# Altium PCB Radxa_E25_V1.4_20220119.PcbDoc (part 2 of 5) (continued)
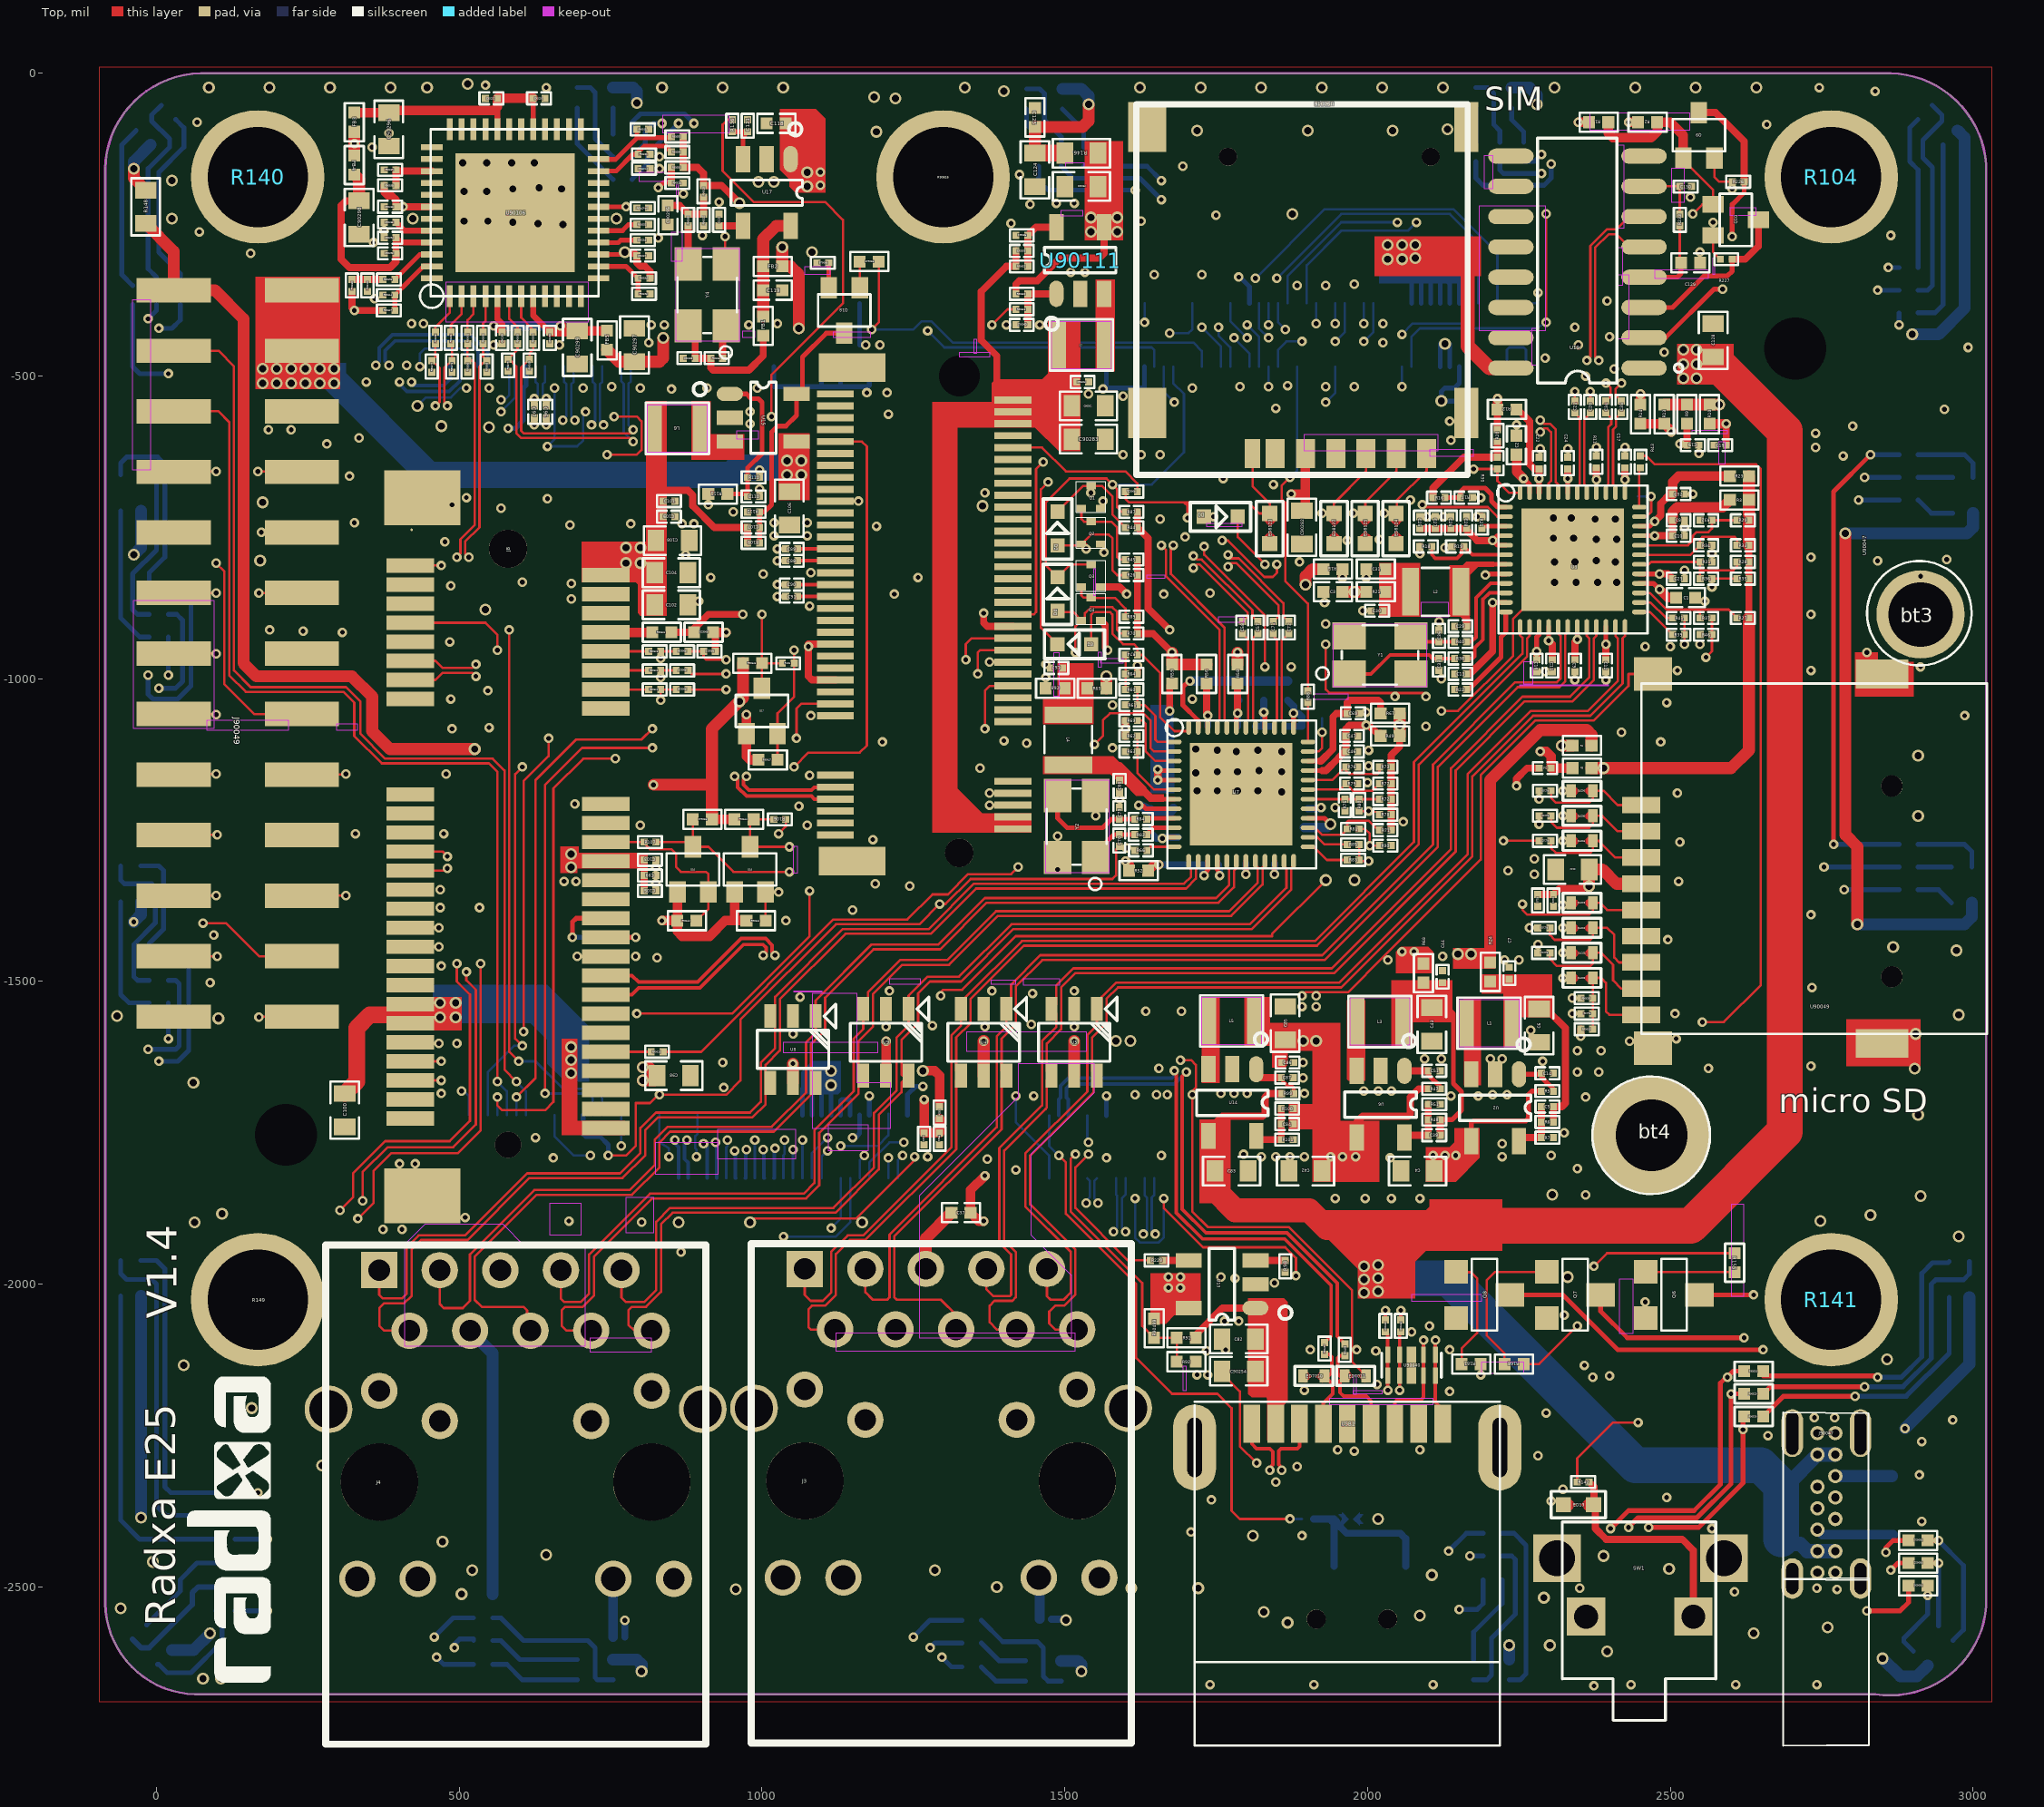
[diagram p0: Top view]
## Nets (pads, with @x,y where several pads share a name; then routed paths per layer and width w, separated by ;. In a path a pad name is that pad's centre, name@x,y a point inside that pad or via, vN(x,y) a via of type N, cw(c..) or ccw(c..) an arc to the next point about the centre after c; other vN are vias at no path point) (continued)
EVDD09_10_PCIE3: C54.1 C55.1 R54.2 U7.37 | length 106.9
  Top w7.87: U7.37@1877.95,-1080.71 v1(1877.95,-1057.09)
  Bottom w11.81: C54.1@1866.14,-1078.74 C55.1@1891.73,-1078.74 1891.73,-1062.99 1885.83,-1057.09 v1(1877.95,-1057.09) 1877.95,-1045.28 R54.2@1868.11,-1035.43
EVDD33/DVDD10: C61.1 R57.2 R58.2 U7.43 | length 118.3
  Top w7.87: U7.43@1783.46,-1080.71 1783.46,-1066.83 v1(1785.43,-1057.09)
  Top w11.81: v1(1785.43,-1057.09) R58.2@1785.43,-1007.87
  Bottom w11.81: C61.1@1785.43,-1078.74 v1(1785.43,-1057.09) 1785.43,-1035.43 R57.2@1787.4,-1035.43
EVDD33/DVDD10_16741608: C24.1 R13.2 R14.2 U3.43 | length 324.7
  Top w7.87: U3.43@2330.71,-692.91 v1(2330.71,-669.29)
  Top w11.81: v1(2330.71,-669.29) C24.1@2330.71,-653.54
  Top w15.75: R14.2@2450.79,-578.74 R13.2@2490.16,-578.74 2501.97,-590.55 v1(2501.97,-592.52)
  GND2 w15.75: v1(2330.71,-669.29) 2352.36,-647.64 2352.36,-606.3 2366.14,-592.52 v1(2501.97,-592.52)
GEN_CLK_100MHZ: 
GEN_CLK_100MHZ_N: 
GEN_CLK_100MHZ_OSC: R90592.2 U90106.17 | length 67.1
  Top w7.87: U90106.17@730.31,-259.84 769.68,-259.84 779.53,-250 R90592.2@793.31,-250
GEN_CLK_100MHZ_P: 
GND: C1.2 C2.2 C3.2 C4.2 C6.2 C7.2 C8.2 C9.2 C10.2 C11.2 C12.2 C13.2 C14.2 C15.2 C16.2 C17.2 C18.2 C19.2 C22.2 C23.2 C24.2 C25.2 C26.2 C27.2 C28.2 C29.2 C30.2 C31.2 C32.2 C33.1 C36.1 C37.1 C38.2 C40.2 C41.2 C42.2 C43.2 C44.2 C45.2 C46.2 C47.2 C48.2 C49.2 C50.2 C51.2 C52.2 C53.2 C54.2 C55.2 C56.2 C59.2 C60.2 C61.2 C62.2 C63.2 C64.2 C65.2 C66.2 C67.2 C68.2 C69.2 C70.1 C73.1 C74.1 C82.2 C83.2 C85.2 C86.2 C87.2 C98.2 C99.2 C100.2 C101.2 C102.2 C103.2 C104.2 C105.2 C106.2 C108.2 C109.2 C110.2 C118.2 C119.2 C120.2 C121.2 C122.2 C123.2 C124.2 C125.2 C128.2 C129.2 C130.2 C131.2 C90254.2 C90282.1 C90283.2 C90284.1 C90285.2 C90286.2 C90287.2 C90288.2 C90289.2 C90290.2 C90291.2 C90292.2 C90293.2 C90294.2 C90296.2 C90297.2 C90298.2 C90299.2 C90300.2 C90302.2 C90303.2 C90304.2 D4200.2 D4201.2 D4202.2 D4203.2 D4204.2 D4205.2 D4206.2 ED5.2 ED13.2 ED7010.2 ED7011.2 ED8122.2 ED8123.2 ED8124.2 ED8125.2 J1.1 J1.2 J1.7 J1.13 J1.19 J1.22 J1.25 J1.31 J1.32 J1.37 J1.42 J1.43 J1.48 J1.49 J1.55 J1.56 J1.61 J1.62 J1.67 J1.68 J1.72 J1.73 J1.76 J1.90 J1.99 J1.100 J1.A J1.B J1.C J1.D J2.1 J2.2 J2.7 J2.13 J2.19 J2.22 J2.25 J2.31 J2.32 J2.37 J2.42 J2.43 J2.48 J2.56 J2.57 J2.62 J2.68 J2.71 J2.72 J2.76 J2.77 J2.81 J2.85 J2.90 J2.91 J2.97 J2.99 J2.100 J2.A J2.B J2.C J2.D J3.19 J3.20 J4.19 J4.20 J5.3 J5.6 J5.7 J5.8 J5.9 J8.4 J8.9 J8.15 J8.18 J8.21 J8.26 J8.27 J8.29 J8.34 J8.35 J8.37 J8.40 J8.43 J8.50 J8.55 J8.56 J8.57 J8.58 J90047.A1 J90047.A12 J90047.B1 J90047.B12 J90047.E1 J90047.E2 J90047.E3 J90047.E4 J90049.6 J90049.9 J90049.14 J90049.20 J90049.25 Q1.2 Q2.2 Q3.2 Q4.2 Q6.2 Q7.2 Q8.2 R7.2 R11.1 R17.2 R19.2 R22.1 R31.1 R32.1 R34.1 R46.1 R51.2 R55.1 R61.2 R63.2 R66.1 R75.1 R76.1 R79.1 R90.1 R92.2 R98.2 R101.2 R104.1 R112.2 R140.1 R141.1 R145.2 R149.1 R224.1 R225.1 R931.2 R90554.2 R90561.2 R90568.2 R90569.2 R90573.2 R90577.2 R90579.2 R90580.2 R90589.2 R90591.2 R90593.2 R90610.2 R90611.2 R90614.2 R90616.1 R90648.2 R90651.2 SW1.2 SW1.3 SW1.4 U1.1 U1.2 U1.7 U1.8 U1.13 U1.14 U1.22 U1.23 U1.32 U1.33 U1.42 U1.43 U1.52 U1.53 U1.59 U1.60 U1.65 U1.66 U1.71 U1.74 U1.98 U1.107 U1.108 U1.113 U1.114 U1.119 U1.120 U1.125 U1.126 U1.131 U1.132 U1.137 U1.138 U1.144 U1.150 U1.155 U1.156 U1.161 U1.162 U1.167 U1.168 U1.173 U1.174 U1.179 U1.180 U1.185 U1.186 U1.191 U1.192 U1.197 U1.198 U1.201 U1.202 U1.203 U1.204 U1.A U1.B U1.C U1.D U1.E U1.F U1.G U1.H U2.2 U3.49 U4.2 U5.2 U6.2 U7.49 U8.2 U9.2 U13.2 U14.2 U15.2 U17.2 U19.1 U90040.3 U90040.8 U90047.3 U90047.5 U90047.11 U90047.21 U90047.27 U90047.33 U90047.39 U90047.45 U90047.51 U90047.57 U90047.69 U90047.71 U90047.73 U90047.75 U90047.76 U90047.77 U90047.78 U90048.5 U90048.8 U90048.9 U90048.10 U90048.11 U90049.6 U90049.10 U90049.11 U90049.12 U90049.13 U90106.13 U90106.18 U90106.24 U90106.37 U90106.43 U90106.48 U90106.49 U90111.2 USB1.4 USB1.7 USB1.10 USB1.11 Y1.2 Y1.4 Y2.2 Y2.4 Y4.2 | length 44707
  Top w3.94: v1@545.28,-523.62 v1(549.21,-519.68) ; v1(744.09,-629.92) 793.31,-629.92 801.18,-622.05 801.18,-574.8 793.31,-566.93 v1(755.91,-566.93) ; v1(746.06,-1787.4) 775.59,-1787.4 791.34,-1771.65 791.34,-1700.79 814.96,-1700.79 826.77,-1688.98 830.71,-1688.98 v1(830.71,-1687.01) 940.94,-1687.01 964.57,-1663.39 964.57,-1562.99 1122.05,-1405.51 1259.84,-1405.51 v1(1293.31,-1372.05) 1303.15,-1372.05 1344.49,-1330.71 1578.74,-1330.71 1584.65,-1324.8 1584.65,-1281.5 1585.68,-1281.5 C70.1@1590.08,-1277.09 ; v1(793.31,-1553.15) 950.79,-1553.15 1078.74,-1425.2 v1(1078.74,-1350.39) ; v1(938.98,-269.68) 938.98,-314.96 Y4.2@940.94,-314.96 ; v2(980.31,-1897.64) 986.22,-1891.73 1155.51,-1891.73 1251.97,-1795.28 v1(1251.97,-1789.37) ; v1(1295.28,-1523.62) 1295.28,-1517.72 1299.21,-1513.78 1330.71,-1513.78 1419.29,-1425.2 1842.52,-1425.2 1842.52,-1421.26 v2(1931.1,-1332.68) ; v1(1663.39,-1858.27) 1663.39,-1873.75 1728.61,-1938.98 1864.17,-1938.98 1881.89,-1956.69 v1(1881.89,-1986.22) ; v1(1690.94,-1629.92) 1708.66,-1629.92 1716.54,-1637.8 1716.54,-1675.2 1710.63,-1681.1 v1(1710.63,-1687.01) 1710.63,-1879.92 1736.22,-1905.51 1870.08,-1905.51 1974.41,-2009.84 1974.41,-2127.95 1992.03,-2145.57 1993.53,-2147.07 1995.03,-2148.57 ED7011.2@1998.03,-2151.57 ; v1(1730.31,-781.5) 1730.31,-795.28 1830.71,-895.67 v1(1830.71,-980.31) ; C90254.2@1759.84,-2143.7 1759.84,-2147.64 1789.37,-2177.17 1789.37,-2267.72 v1(1816.93,-2295.28) ; v1(1759.84,-771.65) 1769.68,-771.65 1829.84,-831.81 1843.39,-831.81 1850.39,-824.8 v1(1850.39,-811.02) ; v1(1891.73,-1523.62) 1897.64,-1517.72 1967.83,-1517.72 2027.22,-1458.32 2187.01,-1298.54 2187.01,-1159.45 2277.56,-1068.9 2374.02,-1068.9 2431.1,-1011.81 2431.1,-992.13 U90049.13@2471.83,-992.13 ; v1(1931.1,-942.91) 1931.1,-1017.72 1937.01,-1023.62 2092.52,-1023.62 2096.46,-1027.56 v1(2096.46,-1029.53) ; v1(2122.05,-1053.15) 2149.61,-1053.15 2240.16,-962.6 2240.16,-901.57 2301.18,-840.55 v2(2309.06,-840.55)
  Top w11.81: U90047.27@1121.26,-1001.97 1082.68,-1001.97 1076.77,-996.06 v1(1076.77,-946.85) 1076.77,-942.91 U90047.33@1121.26,-942.91 ; Q4.2@1559.25,-903.54 1566.93,-911.22 1566.93,-948.82 v1(1570.87,-952.76) ; Q3.2@1559.25,-848.43 1590.55,-848.43 v1(1602.36,-860.24) ; v1(2246.06,-1177.17) 2246.06,-1165.35 2263.78,-1147.64 C15.2@2283.46,-1147.64
  Top w15.75: v1(1366.14,-1895.67) 1358.27,-1895.67 C37.1@1344.49,-1881.89 1344.49,-1844.49 v1(1368.11,-1820.87)
  S1 w3.94: v1(413.39,-482.28) 409.45,-482.28 386.81,-504.92 386.81,-1651.45 386.81,-1673.23 573.82,-1860.24 1464.5,-1860.24 1714.5,-2110.24 v1(1734.25,-2110.24) ; v2(431.1,-549.21) 417.32,-562.99 417.32,-1460.63 431.1,-1474.41 v1(470.47,-1474.41) ; v1(468.5,-1348.43) 440.94,-1320.87 440.94,-669.29 490.16,-620.08 641.73,-620.08 v1(645.67,-616.14) 657.48,-604.33 657.48,-588.58 ; v1(470.47,-1685.04) 470.47,-1712.6 588.58,-1830.71 696.85,-1830.71 ; v1(655.51,-1791.34) 696.85,-1830.71 ; v1(657.48,-519.68) 657.48,-588.58 ; v1(681.1,-1895.67) 566.07,-1895.67 358.27,-1687.86 358.27,-509.84 v1(346.46,-509.84) 346.46,-468.5 421.26,-393.7 1116.14,-393.7 v1(1171.26,-448.82) ; v1(830.71,-1687.01) 852.36,-1665.35 852.36,-840.68 911.55,-781.5 996.06,-781.5 v1(1019.68,-763.78) ; v1(891.73,-1789.37) 891.73,-1777.46 889.76,-1775.49 889.76,-877.95 v1(895.67,-872.05) ; v1(935.04,-1633.86) 927.17,-1625.98 927.17,-1114.17 ; v1(942.91,-1761.81) 942.91,-1771.85 933.07,-1781.69 933.07,-1793.31 986.22,-1793.31 ; v2(980.31,-1897.64) 980.31,-1893.7 1165.35,-1893.7 v2(1165.35,-1897.64) ; v1(988.19,-1761.81) 988.19,-1791.34 986.22,-1793.31 ; v1(992.13,-519.68) 1053.15,-519.68 1358.27,-824.8 1692.91,-824.8 1698.82,-830.71 1720.47,-830.71 1726.38,-824.8 1726.38,-785.43 v1(1730.31,-781.5) ; v1(1051.18,-1586.61) 1041.34,-1586.61 1037.4,-1590.55 v1(1037.4,-1761.81) 1037.4,-1793.31 ; v1(1078.74,-1350.39) 1082.68,-1354.33 1082.68,-1425.2 990.16,-1425.2 990.16,-1114.17 927.17,-1114.17 ; v1(1078.74,-879.92) 1076.77,-877.95 954.72,-877.95 927.17,-905.51 927.17,-1114.17 ; v1(1149.61,-1757.87) 1149.61,-1775.39 1131.69,-1793.31 1037.4,-1793.31 ; v1(1419.29,-1811.02) 1457.71,-1811.02 1477.4,-1830.71 ; 1452.42,-1895.67 1706.36,-2149.61 v1(1718.5,-2149.61) ; v1(1564.96,-791.34) 1568.9,-795.28 1690.94,-795.28 1698.82,-787.4 v1(1698.82,-765.75) ; 1616.14,-1970.27 1706.89,-2061.02 v1(1763.78,-2061.02) ; v1@1665.35,-860.24 v1(1663.39,-860.24) v1(1602.36,-860.24) 1348.43,-860.24 1041.34,-553.15 714.57,-553.15 v1(708.66,-559.06) 704.72,-562.99 704.72,-578.54 694.68,-588.58 657.48,-588.58 ; v1(1946.85,-1858.27) 1956.69,-1868.11 2500,-1868.11 2584.65,-1783.46 2584.65,-836.61 2561.02,-812.99 2541.34,-812.99 ; 2348.43,-500 v1(2360.24,-500) ; v1(2407.48,-488.19) 2431.1,-488.19 2655.51,-712.6 2655.51,-1838.58 2541.34,-1952.76 1599.44,-1952.76 1477.4,-1830.71 ; 696.85,-1830.71 1477.4,-1830.71 ; 986.22,-1793.31 1037.4,-1793.31
  S1 w11.81: v1(2399.61,-435.04) 2419.29,-435.04 2490.16,-505.91 ; v1(2490.16,-460.63) 2490.16,-505.91 ; v1(2661.42,-2250) 2635.83,-2275.59 2574.8,-2275.59 2574.8,-2139.76 2600.39,-2114.17 2600.39,-1938.98 2692.91,-1846.46 2692.91,-708.66 2490.16,-505.91
  GND2 w3.94: v1(88.58,-1501.97) 41.34,-1454.72 41.34,-450.11 172.55,-318.9 1278.23,-318.9 1313.67,-354.33 1681.1,-354.33 1740.16,-413.39 1740.16,-433.07 1719.12,-433.07 1656.13,-370.08 1307.14,-370.08 1271.71,-334.65 179.08,-334.65 57.09,-456.63 57.09,-1403.54 76.77,-1423.23 v1(94.49,-1423.23) ; v2(175.2,-708.66) 159.45,-724.41 159.45,-793.31 v2(171.26,-805.12) 204.72,-771.65 204.72,-656.8 312.32,-549.21 v2(431.1,-549.21) 438.98,-549.21 486.22,-501.97 1210.63,-501.97 1287.4,-578.74 1683.07,-578.74 1696.85,-564.96 1696.85,-529.53 1669.29,-529.53 1635.83,-562.99 1295.28,-562.99 1218.5,-486.22 470.47,-486.22 431.1,-525.59 362.2,-525.59 v1(346.46,-509.84) ; v1(868.11,-744.09) 868.11,-637.8 881.89,-624.02 1647.64,-624.02 1653.54,-629.92 v1(1657.48,-629.92) 1862.2,-629.92 1887.8,-655.51 1887.8,-755.91 1901.57,-769.68 1966.54,-769.68 v1(1966.54,-771.65) ; v1(895.67,-872.05) 889.76,-872.05 870.08,-891.73 870.08,-1015.75 826.77,-1015.75 816.93,-1005.91 816.93,-990.16 824.8,-982.28 838.58,-982.28 846.46,-974.41 846.46,-625.98 864.17,-608.27 1868.11,-608.27 1903.54,-643.7 1903.54,-738.19 1915.35,-750 1982.28,-750 2005.91,-726.38 2005.91,-708.66 2049.21,-708.66 2049.21,-740.16 v1(2019.68,-769.68) ; v1(1931.1,-517.72) 1944.88,-531.5 1944.88,-568.78 2051.3,-675.2 2100.51,-675.2 2151.57,-726.26 2151.57,-1117.97 2238.19,-1202.57 2238.19,-1389.76 2269.68,-1389.76 2269.68,-1360.24 2253.94,-1344.49 2253.94,-1194.88 2167.32,-1108.27 2167.32,-719.74 2107.03,-659.45 2057.82,-659.45 1978.35,-579.98 v1(1978.35,-517.72)
  Bottom w3.94: v2(431.1,-549.21) 444.88,-535.43 486.22,-535.43 501.97,-519.68 v1(511.81,-519.68) ; v1(435.04,-484.25) 435.04,-462.6 442.91,-454.72 505.2,-454.72 509.84,-459.36 509.84,-459.84 515.75,-465.75 J2.7@515.75,-484.25 ; v1(657.48,-519.68) 657.48,-604.33 v1(645.67,-616.14) 694.88,-616.14 704.72,-606.3 704.72,-562.99 v1(708.66,-559.06) ; J1.48@830.71,-1720.87 830.71,-1765.5 846.46,-1775.34 v1(846.46,-1789.37) ; v1(891.73,-1789.37) 891.73,-1777.46 889.76,-1775.49 889.76,-1755.61 893.7,-1751.67 J1.56@893.7,-1720.87 ; J1.61@940.94,-1824.8 940.94,-1773.62 942.91,-1771.65 v1(942.91,-1761.81) ; J1.67@988.19,-1824.8 v1(988.19,-1761.81) ; J1.73@1035.43,-1824.8 1035.43,-1787.01 1037.4,-1785.04 v1(1037.4,-1761.81) ; v1(1616.14,-1858.27) 1616.14,-1923.03 1624.21,-1931.1 1655.31,-1931.1 1663.39,-1923.03 v1(1663.39,-1858.27) ; U1.98@2230.31,-484.65 2230.31,-456.69 2234.25,-452.76 2257.87,-452.76 2261.81,-456.69 U1.F@2261.81,-484.65 ; U1.E@2261.81,-379.92 2277.56,-379.92 2281.5,-375.98 v1(2281.5,-362.2)
  Bottom w7.87: v1(580.71,-586.61) 592.52,-586.61 606.3,-572.83 606.3,-519.68 610.24,-515.75 J2.19@610.24,-484.25 ; J1.32@704.72,-1720.87 704.72,-1751.97 708.66,-1755.91 732.28,-1755.91 746.06,-1769.68 v1(746.06,-1787.4) ; J2.71@1019.68,-484.25 1019.68,-517.72 1066.93,-517.72 ; J2.77@1066.93,-484.25 1066.93,-517.72 ; J2.81@1098.43,-484.25 1098.43,-517.72 ; J2.85@1129.92,-484.25 1129.92,-517.72 ; v1(1149.61,-1757.87) 1155.51,-1757.87 1161.42,-1750 J1.90@1161.42,-1720.87 ; J2.90@1161.42,-380.31 1161.42,-448.82 v1(1171.26,-448.82) ; J2.91@1177.17,-484.25 1177.17,-515.75 1175.2,-517.72 1129.92,-517.72 ; J1.100@1240.16,-1720.87 1240.16,-1687.01 1253.94,-1673.23 v1(1265.75,-1673.23) ; U1.113@1568.9,-1721.26 1568.9,-1690.94 1569.88,-1689.96 v1(1568.9,-1688.98) ; U1.14@1568.9,-484.65 1568.9,-519.68 1631.89,-519.68 U1.22@1631.89,-484.65 ; v1(1787.4,-336.61) 1789.37,-336.61 1805.12,-352.36 U1.43@1805.12,-379.92 ; 1066.93,-517.72 1098.43,-517.72 ; 1098.43,-517.72 1129.92,-517.72
  other v1: 2374.02,-2663.39 1740.16,-2661.42 1911.42,-2661.42 2108.27,-2661.42 2435.04,-2661.42 2608.27,-2661.42 2742.13,-2661.42 2606.3,-2507.87 2775.59,-2503.94 2350.39,-2501.97 2742.13,-2501.97 1891.73,-2415.35 1708.66,-2409.45 2568.9,-2403.54 2915.35,-2391.73 2303.15,-2358.27 1742.13,-2356.3 2494.09,-2352.36 2322.83,-2338.58 1848.43,-2326.77 2911.42,-2314.96 1883.86,-2301.18 2281.5,-2283.46 1978.35,-2275.59 1950.79,-2273.62 2086.61,-2273.62 2915.35,-2259.84 2966.54,-2224.41 2738.19,-2220.47 2771.65,-2220.47 2295.28,-2212.6 2135.83,-2177.17 1895.67,-2175.2 2015.75,-2165.35 1736.22,-2149.61 2013.78,-2110.24 1765.75,-2108.27 1905.51,-2108.27 1982.28,-2108.27 2135.83,-2108.27 2072.83,-2078.74 2102.36,-2068.9 1787.4,-2061.02 2324.8,-2051.18 2458.66,-2029.53 1846.46,-1998.03 1781.5,-1990.16 1757.87,-1988.19 374.02,-1909.45 405.51,-1909.45 801.18,-1897.64 509.84,-1889.76 1996.06,-1858.27 2039.37,-1858.27 2086.61,-1858.27 401.57,-1801.18 427.17,-1801.18 1372.05,-1793.31 1568.9,-1791.34 2037.4,-1791.34 1273.62,-1789.37 1824.8,-1789.37 1848.43,-1789.37 1872.05,-1789.37 1895.67,-1789.37 2222.44,-1789.37 1659.45,-1787.4 1795.28,-1785.43 2222.44,-1767.72 625.98,-1757.87 2324.8,-1750 2360.24,-1690.94 1448.82,-1688.98 2137.8,-1688.98 2183.07,-1688.98 1616.14,-1687.01 1651.57,-1687.01 1669.29,-1687.01 2206.69,-1687.01 2230.31,-1687.01 1757.87,-1685.04 1779.53,-1685.04 1801.18,-1685.04 1895.67,-1685.04 1994.09,-1681.1 2017.72,-1681.1 2039.37,-1681.1 937.01,-1675.2 1893.7,-1659.45 1655.51,-1643.7 2562.99,-1643.7 2732.28,-1639.76 1893.7,-1633.86 2289.37,-1631.89 2094.49,-1627.95 2122.05,-1627.95 2202.76,-1627.95 2222.44,-1627.95 466.54,-1602.36 496.06,-1602.36 2433.07,-1598.43 2509.84,-1594.49 2269.68,-1580.71 1204.72,-1574.8 1368.11,-1574.8 1515.75,-1574.8 1281.5,-1572.83 1444.88,-1570.87 2507.87,-1553.15 1633.86,-1549.21 1692.91,-1549.21 1891.73,-1541.34 1915.35,-1541.34 1062.99,-1525.59 1915.35,-1523.62 1446.85,-1519.68 1210.63,-1515.75 1379.92,-1515.75 1515.75,-1515.75 2734.25,-1509.84 2322.83,-1494.09 2033.46,-1464.57 2226.38,-1464.57 2250,-1464.57 826.77,-1460.63 694.88,-1458.66 791.34,-1458.66 2124.02,-1458.66 2322.83,-1452.76 2496.06,-1431.1 2322.83,-1411.42 2732.28,-1389.76 468.5,-1377.95 533.46,-1377.95 2322.83,-1374.02 1244.09,-1342.52 824.8,-1338.58 1187.01,-1338.58 673.23,-1334.65 692.91,-1334.65 2513.78,-1334.65 2275.59,-1322.83 2232.28,-1316.93 1488.19,-1314.96 824.8,-1311.02 2275.59,-1297.24 1602.36,-1279.53 2515.75,-1269.68 2322.83,-1267.72 1183.07,-1265.75 1488.19,-1259.84 328.74,-1255.91 474.41,-1255.91 799.21,-1242.13 1074.8,-1242.13 2059.06,-1236.22 1551.18,-1226.38 2322.83,-1226.38 1946.85,-1212.6 1061.02,-1210.63 690.94,-1206.69 1590.55,-1198.82 2511.81,-1188.98 2322.83,-1185.04 2000,-1171.26 1078.74,-1159.45 478.35,-1157.48 1360.24,-1147.64 2001.97,-1143.7 2001.97,-1118.11 1578.74,-1114.17 1437.01,-1106.3 1198.82,-1104.33 2484.25,-1104.33 1399.61,-1102.36 2419.29,-1088.58 488.19,-1082.68 549.21,-1080.71 2096.46,-1078.74 1080.71,-1061.02 2986.22,-1061.02 1998.03,-1055.12 1578.74,-1043.31 2494.09,-1039.37 486.22,-1033.46 1710.63,-1033.46 2045.28,-1029.53 547.24,-1019.68 2342.52,-1001.97 2393.7,-1001.97 2122.05,-1000 1468.5,-998.03 2293.31,-988.19 2511.81,-986.22 2732.28,-986.22 1874.02,-980.31 2913.39,-980.31 1468.5,-976.38 2824.8,-956.69 2458.66,-946.85 2500,-946.85 2549.21,-942.91 484.25,-938.98 307.09,-923.23 242.13,-921.26 187.01,-919.29 1931.1,-909.45 2118.11,-905.51 2732.28,-893.7 1992.13,-887.8 1929.13,-874.02 2557.09,-872.05 685.04,-868.11 1218.5,-860.24 1740.16,-858.27 486.22,-846.46 685.04,-842.52 604.33,-840.55 915.35,-832.68 1257.87,-832.68 1998.03,-832.68 2913.39,-830.71 1001.97,-826.77 1080.71,-824.8 2523.62,-820.87 1887.8,-807.09 2842.52,-805.12 2956.69,-803.15 2732.28,-799.21 874.02,-795.28 2568.9,-793.31 2127.95,-783.46 476.38,-773.62 1074.8,-763.78 2523.62,-750 1188.98,-748.03 683.07,-746.06 783.46,-744.09 887.8,-744.09 326.77,-742.13 1019.68,-742.13 1074.8,-742.13 1657.48,-736.22 2098.43,-732.28 2125.98,-732.28 952.76,-724.41 568.9,-718.5 488.19,-712.6 1159.45,-706.69 1562.99,-706.69 645.67,-702.76 511.81,-700.79 2187.01,-700.79 2537.4,-694.88 996.06,-687.01 1844.49,-679.13 1761.81,-669.29 318.9,-665.35 2785.43,-631.89 1596.46,-629.92 1625.98,-629.92 2547.24,-627.95 2285.43,-620.08 2330.71,-620.08 2377.95,-618.11 2425.2,-618.11 2740.16,-618.11 281.5,-612.2 2137.8,-606.3 334.65,-602.36 2740.16,-594.49 185.04,-588.58 222.44,-588.58 2801.18,-582.68 2246.06,-580.71 980.31,-578.74 2135.83,-574.8 1208.66,-562.99 980.31,-559.06 2952.76,-555.12 1848.43,-553.15 1596.46,-533.46 1539.37,-529.53 1173.23,-527.56 1206.69,-527.56 850.39,-521.65 1562.99,-521.65 704.72,-519.68 799.21,-519.68 909.45,-519.68 1710.63,-519.68 751.97,-517.72 1789.37,-517.72 1868.11,-515.75 2293.31,-470.47 2992.13,-452.76 557.09,-448.82 665.35,-448.82 1194.88,-448.82 2348.43,-448.82 812.99,-444.88 2025.59,-444.88 816.93,-415.35 838.58,-415.35 978.35,-415.35 1403.54,-415.35 1458.66,-415.35 421.26,-413.39 440.94,-413.39 1025.59,-413.39 2025.59,-413.39 2395.67,-375.98 360.24,-372.05 1883.86,-350.39 1931.1,-350.39 1978.35,-348.43 1647.64,-332.68 1726.38,-332.68 1509.84,-328.74 1533.46,-328.74 155.51,-297.24 2549.21,-295.28 358.27,-279.53 828.74,-271.65 901.57,-267.72 2864.17,-267.72 70.87,-261.81 375.98,-259.84 1411.42,-248.03 1625.98,-244.09 1750,-234.25 1442.91,-216.54 1486.22,-214.57 1515.75,-214.57 929.13,-212.6 2533.46,-204.72 870.08,-198.82 1425.2,-167.32 830.71,-157.48 1694.88,-153.54 830.71,-137.8 356.3,-122.05 383.86,-98.43 2659.45,-84.65 66.93,-80.71 2838.58,-29.53 643.7,-23.62 2746.06,-23.62 543.31,-19.68
  other v2: 76.77,-2651.57 106.3,-2651.57 2395.67,-2606.3 2301.18,-2596.46 2637.8,-2576.77 2759.84,-2566.93 1868.11,-2559.06 2086.61,-2547.24 1828.74,-2541.34 -59.06,-2535.43 2291.34,-2517.72 503.94,-2511.81 956.69,-2503.94 1610.24,-2501.97 1720.47,-2501.97 1387.8,-2500 2106.3,-2480.31 521.65,-2472.44 1285.43,-2472.44 2498.03,-2470.47 -5.91,-2458.66 2389.76,-2448.82 643.7,-2446.85 472.44,-2425.2 1811.02,-2415.35 2017.72,-2387.8 273.62,-2299.21 157.48,-2204.72 45.28,-2133.86 2858.27,-2124.02 2976.38,-1921.26 62.99,-1897.64 862.2,-1897.64 2748.03,-1895.67 2830.71,-1885.83 108.27,-1883.86 2913.39,-1854.33 2909.45,-1720.47 61.02,-1667.32 2903.54,-1643.7 2905.51,-1586.61 102.36,-1561.02 -64.96,-1557.09 2976.38,-1555.12 2972.44,-1448.82 2868.11,-1442.91 1978.35,-1332.68 2909.35,-1226.77 1858.27,-1187.01 1718.5,-1185.04 1751.97,-1185.04 1785.43,-1185.04 1818.9,-1185.04 1716.54,-1155.51 1751.97,-1153.54 1785.43,-1153.54 1858.27,-1153.54 1820.87,-1151.57 2909.35,-1126.77 1783.46,-1120.08 1858.27,-1120.08 1751.97,-1118.11 1818.9,-1118.11 1716.54,-1116.14 543.31,-885.83 2344.49,-840.55 2379.92,-840.55 2411.42,-840.55 2309.06,-807.09 2342.52,-807.09 2409.45,-807.09 2377.95,-805.12 2377.95,-769.68 2411.42,-769.68 2307.09,-767.72 2340.55,-767.72 2375.98,-736.22 2409.45,-736.22 2307.09,-734.25 2336.61,-734.25 549.21,-584.65 470.47,-582.68 1082.68,-295.28 671.26,-250 629.92,-248.03 588.58,-246.06 507.87,-244.09 547.24,-244.09 25.59,-240.16 423.23,-240.16 759.84,-240.16 1875.98,-232.28 507.87,-194.88 545.28,-194.88 588.58,-190.94 669.29,-190.94 631.89,-188.98 994.09,-179.13 1019.68,-179.13 25.59,-177.17 505.91,-147.64 545.28,-147.64 586.61,-147.64 624.02,-147.64 1188.98,-96.46 1718.5,-94.49 1901.57,-94.49 2041.34,-94.49 2131.89,-92.52 1220.47,-41.34 1185.04,-39.37 1399.61,-29.53 86.61,-23.72 186.61,-23.72 286.61,-23.72 386.61,-23.72 835.04,-23.72 935.04,-23.72 1035.04,-23.72 1335.04,-23.72 1624.41,-23.72 1724.41,-23.72 1824.41,-23.72 1924.41,-23.72 2024.41,-23.72 2124.41,-23.72 2442.13,-23.72 2542.13,-23.72 2642.13,-23.72 446.85,-23.62 2309.06,-23.62 513.78,-17.72
GNDTX/DVDD10: C56.1 R53.2 R55.2 U7.40 | length 96.5
  Top w7.87: v1(1828.74,-1055.12) 1830.71,-1055.12 U7.40@1830.71,-1080.71
  Bottom w11.81: R55.2@1814.96,-1078.74 1828.74,-1078.74 ; R53.2@1828.74,-1035.43 v1(1828.74,-1055.12) 1828.74,-1078.74 ; C56.1@1840.55,-1078.74 1828.74,-1078.74
GNDTX/DVDD10_16742200: C19.1 R9.2 R11.2 U3.40 | length 250.8
  Top w5.91: U3.40@2377.95,-692.91 v1(2377.95,-671.26)
  Top w11.81: v1(2377.95,-671.26) R11.2@2377.95,-651.57 ; v1(2515.75,-612.2) C19.1@2527.56,-612.2 ; C19.1@2527.56,-614.17 C19.1@2527.56,-612.2 ; R9.2@2527.56,-578.74 C19.1@2527.56,-612.2
  GND2 w15.75: v1(2377.95,-671.26) 2409.45,-639.76 2435.04,-639.76 2462.6,-612.2 v1(2515.75,-612.2)
GPI/GPO: R69.2 U7.3 | length 115.3
  Top w3.94: R69.2@1620.08,-1068.9 1627.95,-1068.9 1633.86,-1074.8 1633.86,-1120.08 1649.61,-1135.83 U7.3@1681.1,-1135.83
GPI/GPO_16742488: R25.2 U3.3 | length 41
  Top w7.87: R25.2@2188.98,-751.97 2192.91,-748.03 U3.3@2228.35,-748.03
GPIO0_D3: J1.8 U90047.23 | length 1240.6
  Top w3.94: v1(606.3,-1582.68) 606.3,-1169.29 647.64,-1127.95 v1(647.64,-1098.43) ; v1(1057.09,-1098.43) 1057.09,-1049.21 1064.96,-1041.34 U90047.23@1121.26,-1041.34
  S1 w3.94: v1(503.94,-1681.1) 503.94,-1641.73 562.99,-1582.68 v1(606.3,-1582.68)
  GND2 w3.94: v1(647.64,-1098.43) v1(1057.09,-1098.43)
  Bottom w3.94: v1(503.94,-1681.1) 507.87,-1681.1 515.75,-1688.98 J1.8@515.75,-1720.87
GPIO0_D5: J1.12 U90047.67 | length 1749.6
  Top w3.94: v1(604.33,-1606.3) 592.52,-1594.49 592.52,-1157.48 v1(604.33,-1145.67) ; v1(1053.15,-1145.67) 1076.77,-1122.05 1161.42,-1122.05 1173.23,-1110.24 1173.23,-616.14 1165.35,-608.27 U90047.67@1121.26,-608.27
  GND2 w3.94: v1(604.33,-1145.67) v1(1053.15,-1145.67)
  Bottom w3.94: J1.12@547.24,-1720.87 547.24,-1649.61 590.55,-1606.3 v1(604.33,-1606.3)
GPIO0_D6: J1.14 U90047.6 | length 1474.1
  Top w3.94: v1(562.99,-1690.94) 562.99,-1704.72 570.87,-1712.6 641.73,-1712.6 655.51,-1698.82 655.51,-1181.1 704.72,-1131.89 v1(757.87,-1131.89) ; v1(1375.98,-1208.66) U90047.6@1414.57,-1208.66
  GND2 w3.94: v1(757.87,-1131.89) 1173.23,-1131.89 1250,-1208.66 v1(1375.98,-1208.66)
  Bottom w3.94: J1.14@562.99,-1720.87 v1(562.99,-1690.94)
GPIO1_A0: J1.20 J90049.3 | length 1743
  Top w3.94: J90049.3@28.35,-458.27 102.36,-458.27 127.95,-483.86 127.95,-986.22 155.51,-1013.78 312.99,-1013.78 336.61,-1037.4 336.61,-1090.55 377.95,-1131.89 555.12,-1131.89 574.8,-1151.57 574.8,-1645.67 v1(594.49,-1665.35)
  Bottom w3.94: v1(594.49,-1665.35) 610.24,-1681.1 J1.20@610.24,-1720.87
GPIO1_A1: J1.16 J90049.5 | length 1632.3
  Top w3.94: J90049.5@28.35,-558.27 102.36,-558.27 120.08,-575.98 120.08,-994.09 147.64,-1021.65 309.06,-1021.65 326.77,-1039.37 326.77,-1094.49 372.05,-1139.76 549.21,-1139.76 562.99,-1153.54 v1(562.99,-1665.35)
  Bottom w3.94: v1(562.99,-1665.35) 578.74,-1681.1 J1.16@578.74,-1720.87
GPIO1_A4: J1.34 U90047.8 | length 1448.9
  Top w3.94: v1(641.73,-1685.04) 641.73,-1175.2 702.76,-1114.17 v1(818.9,-1114.17) ; v1(1375.98,-1188.98) U90047.8@1414.57,-1188.98
  GND2 w3.94: v1(818.9,-1114.17) 1175.2,-1114.17 1250,-1188.98 v1(1375.98,-1188.98)
  Bottom w3.94: v1(641.73,-1685.04) 712.6,-1685.04 720.47,-1692.91 J1.34@720.47,-1720.87
GPIO1_B1: D2.2 J1.36 Q1.3 R44.2 | length 2481
  Top w3.94: v1(582.68,-919.29) 582.68,-1616.14 v1(598.43,-1631.89) ; D2.2@1488.19,-724.02 1530.71,-681.5 Q1.3@1543.41,-681.5 ; v1(1543.31,-692.91) 1543.31,-681.59 Q1.3@1543.41,-681.5 ; R44.2@1600.39,-750 1578.74,-728.35 1578.74,-698.82 1561.42,-681.5 Q1.3@1543.41,-681.5
  GND2 w3.94: v1(582.68,-919.29) 582.68,-1000 633.86,-1051.18 893.7,-1051.18 913.39,-1031.5 913.39,-925.2 954.72,-883.86 954.72,-742.13 996.06,-700.79 1088.58,-700.79 1129.92,-659.45 1509.84,-659.45 v1(1543.31,-692.91)
  Bottom w3.94: v1(598.43,-1631.89) 625.98,-1631.89 671.26,-1677.17 720.47,-1677.17 736.22,-1692.91 J1.36@736.22,-1720.87
GPIO3_A3: J90049.12 U1.91 | length 2859
  Top w3.94: v1(169.29,-858.27) J90049.12@240.16,-858.27
  GND2 w3.94: v1(169.29,-858.27) 151.57,-840.55 151.57,-474.29 173.11,-452.76 521.65,-452.76 539.37,-470.47 1226.38,-470.47 1303.15,-547.24 1360.24,-547.24 1417.32,-490.16 1812.99,-490.16 1850.39,-452.76 v1(1850.39,-338.58)
  Bottom w3.94: v1(1850.39,-338.58) 1956.69,-232.28 2135.83,-232.28 2183.07,-279.53 U1.91@2183.07,-379.92
GPIO3_A7: J1.95 R111.1 | length 1964.6
  Top w3.94: v1(911.42,-712.6) R111.1@911.42,-694.88
  S1 w3.94: v1(911.42,-712.6) 671.26,-712.6 620.08,-763.78 620.08,-1726.38 712.6,-1818.9 1159.45,-1818.9 1187.01,-1791.34 v1(1208.66,-1791.34)
  Bottom w3.94: J1.95@1208.66,-1824.8 v1(1208.66,-1791.34)
GPIO3_B7: J90049.7 U1.31 | length 2000.2
  Top w3.94: J90049.7@28.35,-658.27 29.13,-657.48 v1(98.43,-657.48)
  GND2 w3.94: v1(98.43,-657.48) 98.43,-460.63 153.54,-405.51 347.19,-405.51 386.56,-366.14 1258.67,-366.14 1294.1,-401.57 1574.8,-401.57 1614.17,-440.94 1661.42,-440.94 v1(1673.23,-429.13)
  Bottom w3.94: v1(1673.23,-429.13) 1704.72,-429.13 1710.63,-423.23 U1.31@1710.63,-379.92
GPIO3_C4: J90049.11 U1.95 | length 2916.2
  Top w3.94: J90049.11@28.35,-858.27 v1(98.43,-858.27)
  GND2 w3.94: v1(98.43,-858.27) 120.08,-836.61 120.08,-461.25 160.07,-421.26 353.71,-421.26 393.08,-381.89 1252.14,-381.89 1311.2,-440.94 1585.26,-440.94 1610.85,-466.54 1797.24,-466.54 1814.96,-448.82 v1(1814.96,-338.58)
  Bottom w3.94: v1(1814.96,-338.58) 1929.13,-224.41 2141.73,-224.41 2214.57,-297.24 U1.95@2214.57,-379.92
GPIO3_C5: J90049.13 U1.24 | length 2182.9
  Top w3.94: J90049.13@28.35,-958.27 98.03,-958.27 v1(98.43,-958.66)
  GND2 w3.94: v1(98.43,-958.66) 127.95,-929.13 127.95,-464.51 163.33,-429.13 356.97,-429.13 396.34,-389.76 1238.19,-389.76 v1(1273.62,-425.2)
  Bottom w3.94: v1(1273.62,-425.2) 1301.18,-452.76 1643.7,-452.76 1647.64,-456.69 U1.24@1647.64,-484.65